# Altium PCB PCB_8ct6.PcbDoc
Units mm, origin at the board's own origin, x right, y up, seen from the top; angles counter-clockwise.
Board outline 82 x 80 mm, 2 copper layers (Top Layer, Bottom Layer); 53 components, 49 nets, 229 pads, 83 vias.
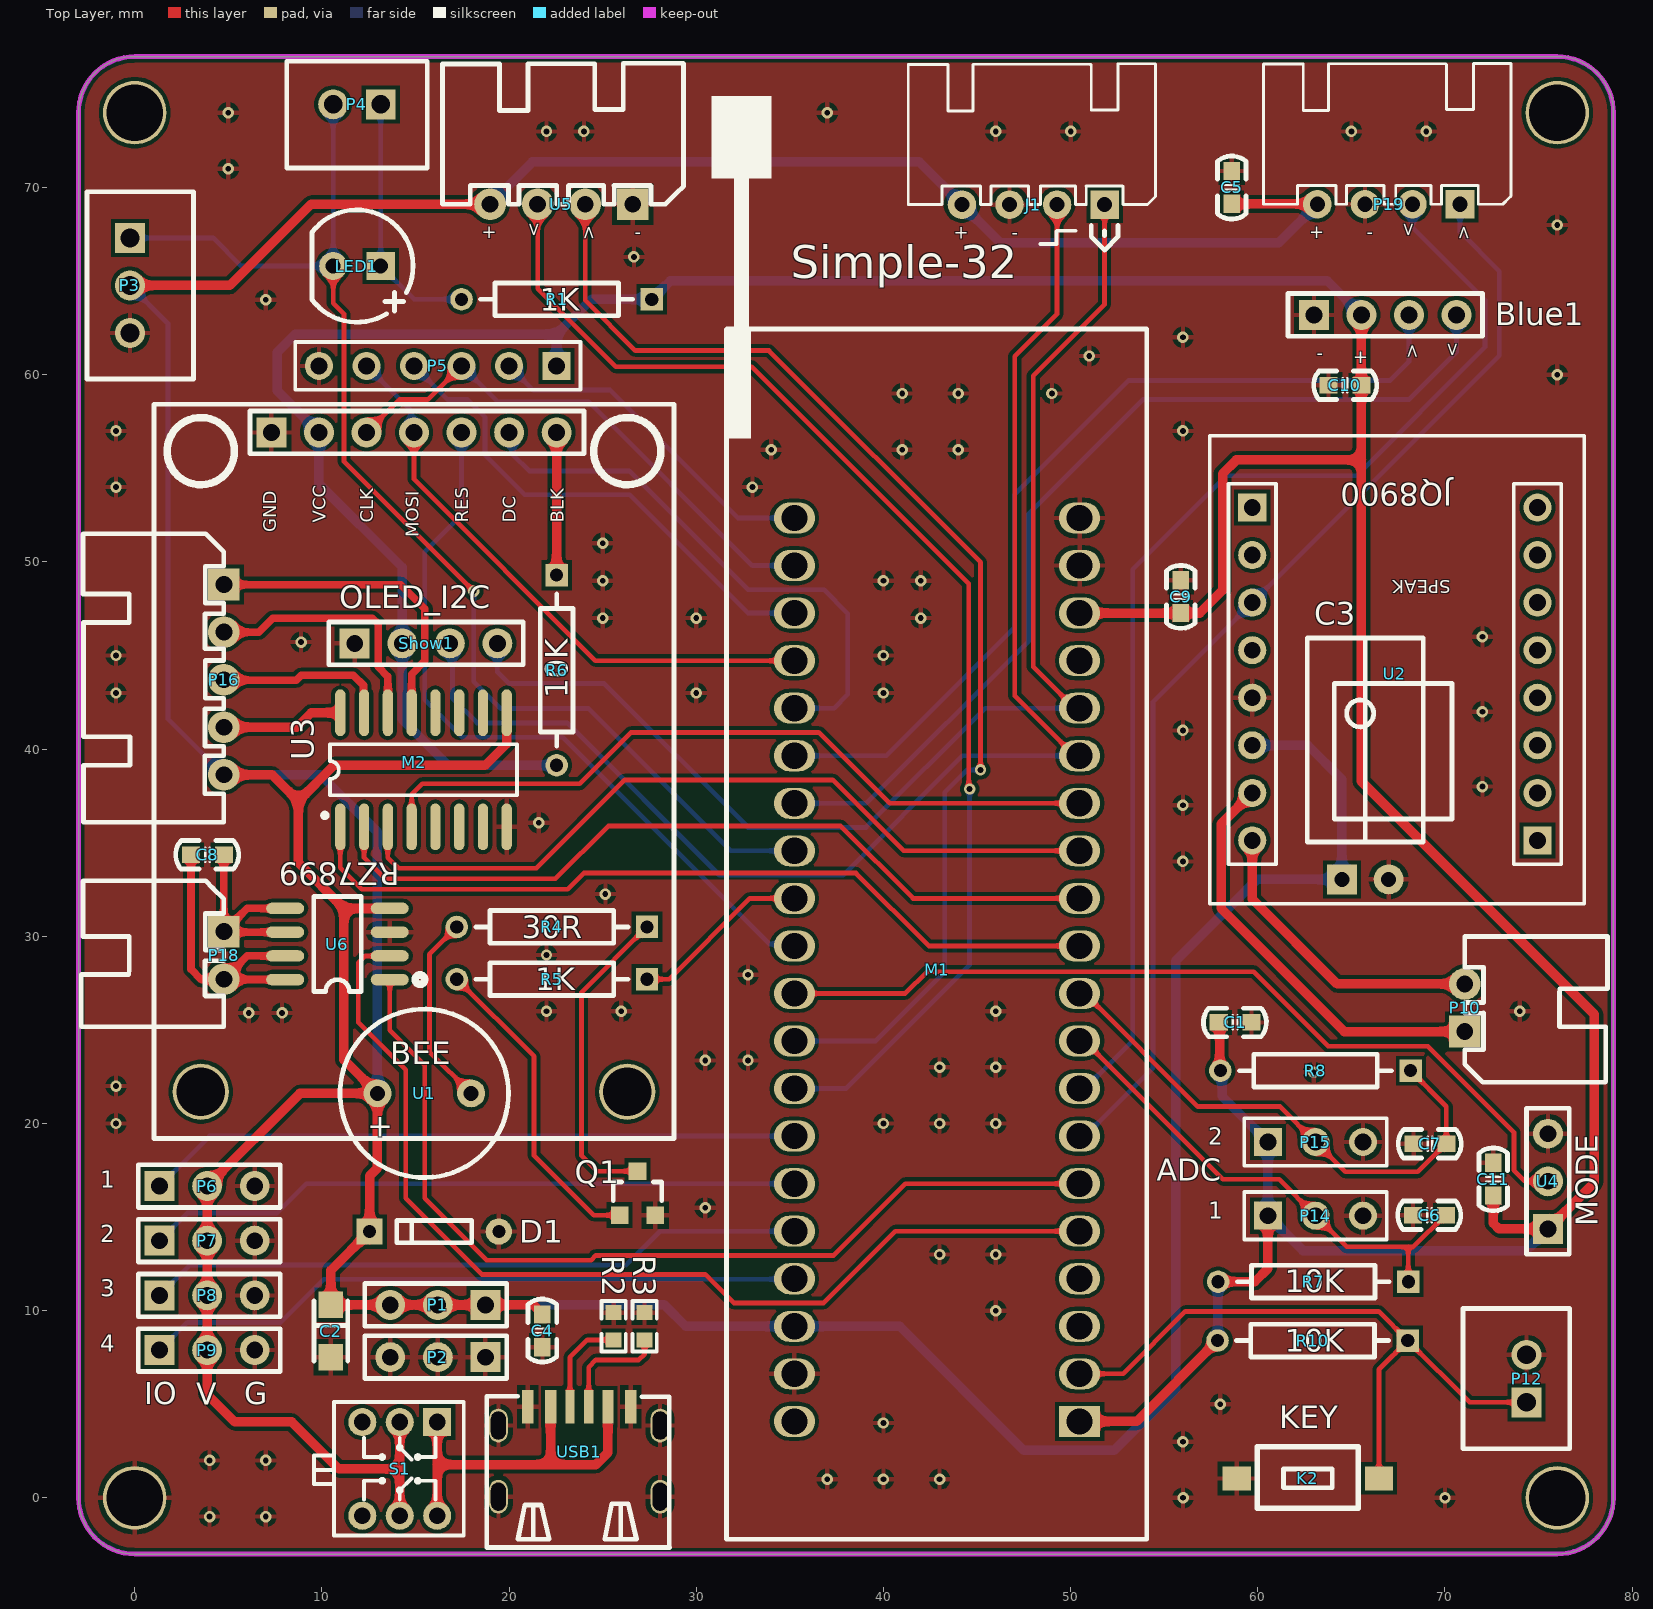
[diagram p0: Top Layer view]
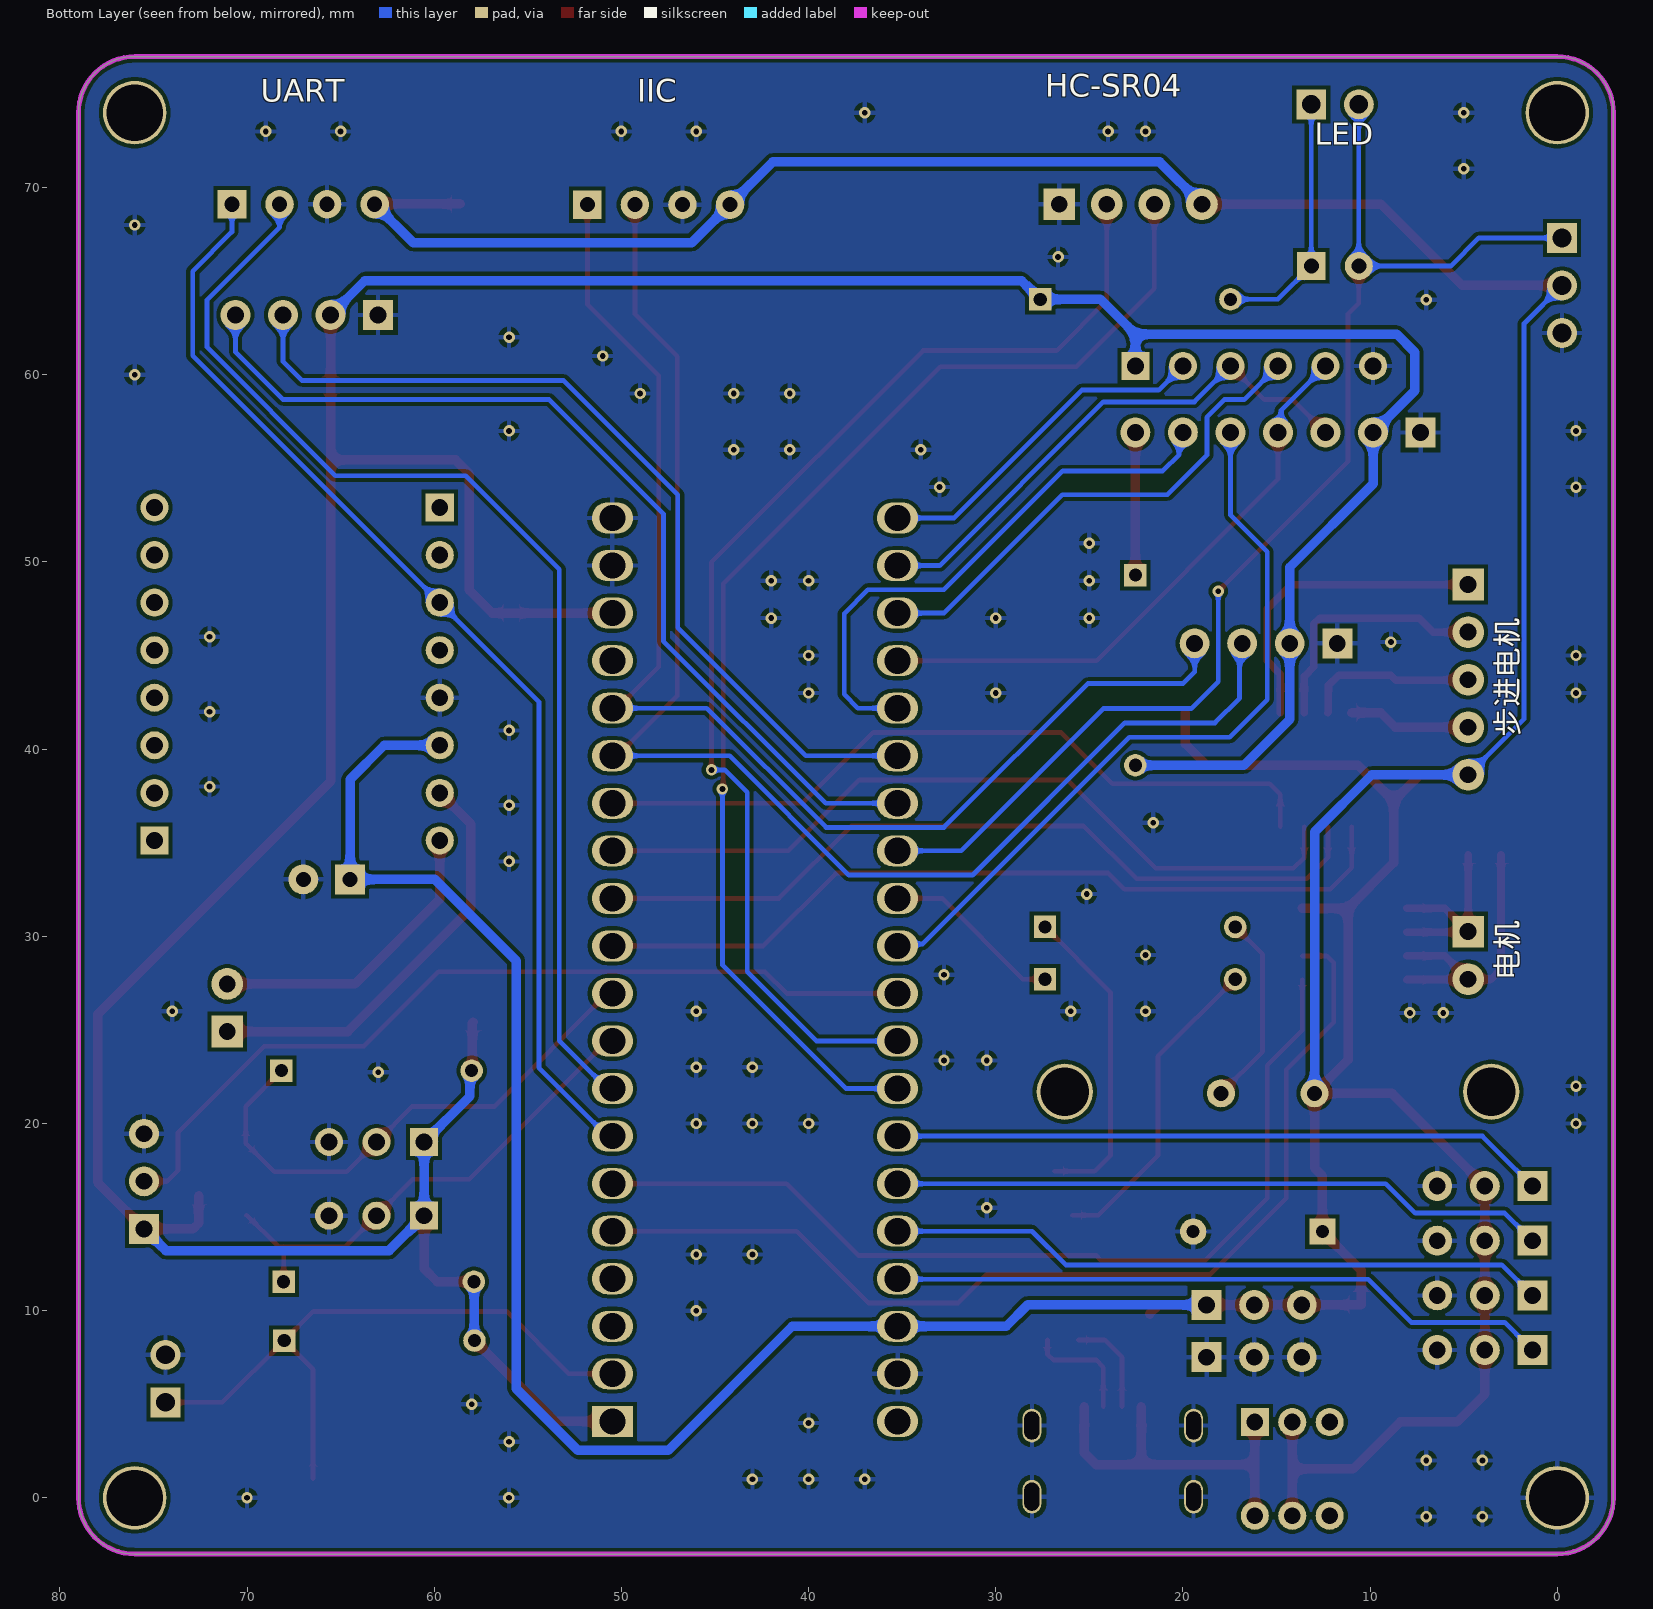
[diagram p1: Bottom Layer view, seen from below]

## Layer stack, top to bottom
Top Solder: solder mask 0.0102, Solder Resist, Dk 3.5
Top Layer: signal copper 0.0356
Dielectric 1: dielectric 0.32, FR-4, Dk 4.8
Bottom Layer: signal copper 0.0356
Bottom Solder: solder mask 0.0102, Solder Resist, Dk 3.5

## Board outline
-3,0 ccw(c0,0) 0,-3 76,-3 ccw(c76,0) 79,0 79,74 ccw(c76,74) 76,77 0,77 ccw(c0,74) -3,74

## Design rules (kind name [scope] priority, off if disabled: settings)
Clearance [All] p1: gap=0.203 ignorepadtopadclearanceinfootprint=TRUE
Height [All] p1: minheight=0 maxheight=50.8 prefheight=12.7
HoleSize [All] p1: absolutevalues=TRUE maxlimit=3 minlimit=0.025 maxpercent=80.000 minpercent=20.000
MinimumSolderMaskSliver [All] p1: minsoldermaskwidth=0.203
PolygonConnect [All] p1: connectstyle=Relief reliefconductorwidth=0.254 reliefentries=4 polygonreliefangle="90 Angle" airgapwidth=0.254
RoutingVias [All] p1: holewidth=0.711 width=1.27 viastyle="Through Hole" minholewidth=0.305 minwidth=0.61 maxholewidth=0.711 maxwidth=1.27
SilkToSilkClearance [All] p1: silktosilkclearance=0
SilkToSolderMaskClearance [IsPad] p1: minsilkscreentomaskgap=0 clearancetoexposedcopper=TRUE
SolderMaskExpansion [All] p1: expansion=0.102 istentingtop=FALSE
Width [All] p1: maxlimit=1.27 minlimit=0.203 preferedwidth=0.254
25 further rules are at their usual default settings.

## Classes and differential pairs
component class Sheet2: Blue1 C8 C9 C10 C11 J1 P16 P18 P19 U3 U4 U5 U6
component class Sheet1: C1 C2 C3 C4 C5 C6 C7 D1 K2 LED1 M1 M2 P1 P2 P3 P4 P5 P6 P7 P8 P9 P10 P12 P14 P15 Q1 R1 R2 R3 R4 R5 R6 R7 R8 R10 S1 Show1 U1 U2 USB1

## Components (designator, comment, footprint, x,y, rotation, side; value= is the part's Value field where it differs from the comment)
Blue1 "JDY-18" uart-Haerd 62.998,63.194 r180 top
C1 "100NF" CAP_0603 59.665,25.4 r180 top
C2 "100UF" CAP_3216_A 10.477,8.912 r90 top
C3 "220UF" CAP_PR_2.5_6.3_RA 65.742,33.042 r0 top
C4 "100NF" CAP_0603 21.78,8.048 r90 top
C5 "100NF" CAP_0603 58.61,70.888 r270 top
C6 "100NF" CAP_0603 70.047,15.104 r180 top
C7 "100NF" CAP_0603 70.072,18.914 r180 top
C8 "100NF" CAP_0603 4.762,34.354 r180 top
C9 "100NF" CAP_0603 55.88,49.022 r270 top
C10 "100NF" CAP_0603 63.779,59.436 r0 top
C11 "100NF" CAP_0603 72.58,17.904 r270 top
D1 "1N4148" Diode_DO35 16.002,14.224 r0 top
J1 "IIC" IIC-XH2.54-4PIN 51.816,69.088 r180 top
K2 "KEY" SW_PB_3X6 62.674,1.038 r0 top
LED1 "LED_R/G/B/Y" LED_5MM 11.874,65.808 r180 top
M1 "STM32F103C8t6最小系统板" STM32F103C8_SIMPLE 50.482,4.086 r180 top locked
M2 "ST7899" LCD_1.3_MODE 7.302,56.918 r0 top locked
P1 "Header 3" "Header 2.54X3" 16.192,10.309 r180 top
P2 "Header 3" "Header 2.54X3" 16.192,7.515 r180 top
P3 "Header 3" XH_2.54_3P -0.254,64.77 r270 top
P4 "Header 2" XH_2.54_2P 11.874,74.444 r180 top
P5 "Header 6" HDR1X6 22.542,60.474 r180 top
P6 "Header3" "Header 2.54X3" 3.873,16.659 r0 top
P7 "Header3" "Header 2.54X3" 3.873,13.738 r0 top
P8 "Header3" "Header 2.54X3" 3.873,10.817 r0 top
P9 "Header3" "Header 2.54X3" 3.873,7.896 r0 top
P10 "Header 2" XH2.54-WI-2P 71.056,26.184 r90 top
P12 "Header 2" XH_2.54_2P 74.358,6.372 r90 top
P14 "Header 3" HDR1X3 60.539,15.074 r0 top
P15 "Header 3" HDR1X3 60.539,19.011 r0 top
P16 "Header 5" XH2.54-WI-5P 4.762,43.71 r270 top
P18 "OUT" XH2.54-WI-2P 4.762,28.978 r270 top
P19 "UART" UART 70.802,69.11 r180 top
Q1 "NPN" SOT23_3 26.86,16.278 r270 top
R1 "1K" RES_0.4_1/4W 22.542,64.03 r180 top
R2 "5.1K" RESC_0603_2 25.59,9.166 r90 top
R3 "5.1K" RESC_0603_2 27.241,9.166 r90 top
R4 "30R" RES_0.4_1/4W 22.288,30.502 r180 top
R5 "1K" RES_0.4_1/4W 22.288,27.708 r180 top
R6 "10K" RES_0.4_1/4W 22.542,44.218 r270 top
R7 "10K" RES_0.4_1/4W 62.96,11.548 r180 top
R8 "10K" RES_0.4_1/4W 63.079,22.821 r180 top
R10 "10K" RES_0.4_1/4W 62.928,8.404 r180 top
S1 "Switch.02" SWITCH-KFC-7 14.16,1.546 r180 top
Show1 "OLED_I2C" "Header F 2.54X4" 15.565,45.65 r0 top
U1 "BEE" BEE-FMQ5mm 12.97,21.612 r0 top
U2 "JQ8900" SPKMO 67.246,47.774 r0 top
U3 "ULN2003" SOP16 15.43,38.884 r90 top
U4 "MODE" "Header F 2.54X3" 75.501,16.913 r90 top
U5 "HC-SR04" Ultrasonic 26.606,69.11 r180 top
U6 "RZ7899" SOP_8_M 10.858,29.74 r180 top
USB1 "Type_c" USB-Type-c_6P 23.812,2.435 r0 top

## Footprints (in the part's own frame and the unit in brackets; to place one, negate y for a bottom-side part, rotate by r counter-clockwise, add the part's x,y. Pads: shape width x height; smd on the part's side, far side on the other; paste and mask are expansions set on the pad)
BEE-FMQ5mm [mm]
  round 1.5 hole 0.8: 1(0,0) 2(5,0)
  silkscreen extent -2,-4.5 7,4.5, body extent -2,-4.5 7,4.5, height 4.5
CAP_0603 [mil]
  rect 38x35 smd: 1(0,0) 2(69,0)
  silkscreen extent -31,-30 101,30, body extent 4,-16 67,16, height 12
CAP_3216_A [mm]
  rect 1.4x1.3 smd: 1(1.4,0) 2(-1.4,0)
  silkscreen extent -1.6,-0.9 1.6,0.9, body extent -1.6,-0.8 1.6,0.8, height 1.6
CAP_PR_2.5_6.3_RA [mm] "6.3X11"
  rect 1.6x1.6 hole 0.8: 1(-1.25,0)
  round 1.6 hole 0.8: 2(1.25,0)
  silkscreen extent -3.1,2 3.1,12.9, body extent -3.18,-0.3 3.18,13.02, height 6.38
Diode_DO35 [mm]
  rect 1.4x1.4 hole 0.7: 1(-3.45,0)
  round 1.4 hole 0.7: 2(3.45,0)
  silkscreen extent -2,-0.6 2,0.6, body extent -3.75,-1 3.75,1, height 2.3
HDR1X3 [mm] "Connector; Header; 3 Position"
  rect 1.5x1.5 hole 0.9: 1(0,0)
  round 1.5 hole 0.9: 2(2.54,0) 3(5.08,0)
  silkscreen extent -1.27,-1.27 6.35,1.27, body extent -1.27,-1.32 6.35,1.22, height 8.54
HDR1X6 [mm] "Connector; Header; 6 Position"
  rect 1.5x1.5 hole 0.9: 1(0,0)
  round 1.5 hole 0.9: 2(2.54,0) 3(5.08,0) 4(7.62,0) 5(10.16,0) 6(12.7,0)
  silkscreen extent -1.27,-1.27 13.97,1.27, body extent -1.37,-1.27 13.87,1.27, height 8.54
"Header 2.54X3" [mm]
  rect 1.6x1.6 hole 0.9: 1(-2.54,0)
  round 1.6 hole 0.9: 2(0,0) 3(2.54,0)
  silkscreen extent -3.68,-1.14 3.9,1.14, body extent -3.68,-1.23 3.94,1.27, height 8.3
"Header F 2.54X3" [mm]
  rect 1.6x1.6 hole 0.9: 1(-2.54,0)
  round 1.6 hole 0.9: 2(0,0) 3(2.54,0)
  silkscreen extent -3.9,-1.14 3.9,1.14, body extent -3.94,-1.26 3.94,1.24, height 8.6
"Header F 2.54X4" [mm]
  rect 1.6x1.6 hole 0.9: 1(-3.81,0)
  round 1.6 hole 0.9: 2(-1.27,0) 3(1.27,0) 4(3.81,0)
  silkscreen extent -5.2,-1.14 5.19,1.14, body extent -5.21,-1.25 5.21,1.25, height 8.6
IIC-XH2.54-4PIN [mil] "-XH2.54-4PIN-"
  rect 60x60 hole 32: 1(0,0)
  round 60 hole 32: 2(100,0) 3(200,0) 4(300,0)
  silkscreen extent -107,-296 413,96, body extent -105,-300 415,11, height 236
LCD_1.3_MODE [mm]
  round 3 hole 2.6: 0(-3.77,-35.22) 0(19.01,-35.22)
  rect 1.6x1.6 hole 0.9: 1(0,0)
  round 1.6 hole 0.9: 2(2.54,0) 3(5.08,0) 4(7.62,0) 5(10.16,0) 6(12.7,0) 7(15.24,0)
  silkscreen extent -6.27,-37.72 21.51,1.5, body extent -6.47,-37.72 21.71,1.5, height 17.05
LED_5MM [mm]
  rect 1.5x1.5 hole 0.8: 1(-1.27,0)
  round 1.5 hole 0.8: 2(1.27,0)
  silkscreen extent -3,-3 2.4,3, body extent -3,-3 2.5,3, height 8.5
RES_0.4_1/4W [mm]
  rect 1.2x1.2 hole 0.7: 1(-5.08,0)
  round 1.2 hole 0.7: 2(5.08,0)
  silkscreen extent -4.06,-0.87 4.06,0.87, body extent -5.38,-1.25 5.38,1.27, height 2.56
RESC_0603_2 [mm]
  rect 0.8x0.85 smd: 1(-0.73,0) 2(0.73,0)
  silkscreen extent -1.35,-0.65 1.35,0.65, body extent -0.8,-0.4 0.8,0.4, height 0.38
SOP16 [mm] "SOP, 16-Leads, Body 9.90x3.90mm, Pitch 1.27mm, IPC Medium Density"
  oval 2.5x0.55 smd: 1(-3.035,4.445) 2(-3.035,3.175) 3(-3.035,1.905) 4(-3.035,0.635) 5(-3.035,-0.635) 6(-3.035,-1.905) 7(-3.035,-3.175) 8(-3.035,-4.445) 9(3.06,-4.445) 10(3.06,-3.175) 11(3.06,-1.905) 12(3.06,-0.635) 13(3.06,0.635) 14(3.06,1.905) 15(3.06,3.175) 16(3.06,4.445)
  silkscreen extent -2.55,-5 1.37,5.39, body extent -2.93,-4.98 2.98,5, height 1.45
SOP_8_M [mil] "5.58"
  oval 80x24 smd: 1(-109,81) 2(-109,31) 3(-109,-19) 4(-109,-69) 5(111,-69) 6(111,-19) 7(111,31) 8(111,81)
  silkscreen extent -49,-94 51,106, body extent -117,-92 121,106, height 63
SOT23_3 [mm]
  rect 0.95x0.95 smd: 1(1.175,-0.95) 2(1.175,0.95) 3(-1.175,0)
  silkscreen extent -0.6,-1.3 0.4,1.3, body extent -1.34,-1.5 1.3,1.5, height 1.08
SPKMO [mm]
  rect 1.5x1.5 hole 0.9: 1(-7.544,5.131) 9(7.696,-12.649)
  round 1.5 hole 0.9: 2(-7.544,2.591) 3(-7.544,0.051) 4(-7.544,-2.489) 5(-7.544,-5.029) 6(-7.544,-7.569) 7(-7.544,-10.109) 8(-7.544,-12.649) 10(7.696,-10.109) 11(7.696,-7.569) 12(7.696,-5.029) 13(7.696,-2.489) 14(7.696,0.051) 15(7.696,2.591) 16(7.696,5.131)
  silkscreen extent -9.81,-16.04 10.19,8.96, body extent -9.8,-16 10.26,9.58, height 15.39
STM32F103C8_SIMPLE [mm]
  rect 2.2x1.66 hole 1.4: 1(0,0)
  oval 2.2x1.66 hole 1.4: 2(0,-2.54) 3(0,-5.08) 4(0,-7.62) 5(0,-10.16) 6(0,-12.7) 7(0,-15.24) 8(0,-17.78) 9(0,-20.32) 10(0,-22.86) 11(0,-25.4) 12(0,-27.94) 13(0,-30.48) 14(0,-33.02) 15(0,-35.56) 16(0,-38.1) 17(0,-40.64) 18(0,-43.18) 19(0,-45.72) 20(0,-48.26) 21(15.24,-48.26) 22(15.24,-45.72) 23(15.24,-43.18) 24(15.24,-40.64) 25(15.24,-38.1) 26(15.24,-35.56) 27(15.24,-33.02) 28(15.24,-30.48) 29(15.24,-27.94) 30(15.24,-25.4) 31(15.24,-22.86) 32(15.24,-20.32) 33(15.24,-17.78) 34(15.24,-15.24) 35(15.24,-12.7) 36(15.24,-10.16) 37(15.24,-7.62) 38(15.24,-5.08) 39(15.24,-2.54) 40(15.24,0)
  silkscreen extent -3.58,-70.81 19.67,6.29, body extent -3.96,-70.9 19.9,6.29, height 25.5
SW_PB_3X6 [mm]
  rect 1.5x1.3 smd: 1(-3.8,0) 2(3.8,0)
  silkscreen extent -2.7,-1.6 2.7,1.7, body extent -4,-1.85 4,1.85, height 2.6
SWITCH-KFC-7 [mm] "自锁开关，规格：7*7mm"
  round 1.5 hole 0.9: 1(0,-2.5) 3(2,-2.5) 4(0,2.5) 5(-2,2.5) 6(2,2.5)
  rect 1.5x1.5 hole 0.9: 2(-2,-2.5)
  silkscreen extent -3.42,-3.58 4.58,3.56, body extent -3.5,-3.5 3.5,3.5, height 11.2
UART [mil] "-XH2.54-4PIN"
  rect 60x60 hole 32: 1(0,0)
  round 60 hole 32: 2(100,0) 3(200,0) 4(300,0)
  silkscreen extent -107,-296 413,0, body extent -105,-300 415,11, height 236
uart-Haerd [mm]
  rect 1.6x1.6 hole 0.9: 1(0,0)
  round 1.6 hole 0.9: 2(-2.54,0) 3(-5.08,0) 4(-7.62,0)
  silkscreen extent -9,-1.14 1.39,1.14, body extent -9.02,-1.25 1.4,1.25, height 8.6
Ultrasonic [mm] "-XH2.54-4PIN"
  round 1.7 hole 0.9: 1(7.62,0) 2(5.08,0) 3(2.54,0)
  rect 1.7x1.7 hole 0.9: 4(0,0)
  silkscreen extent -2.72,-7.53 10.16,0, body extent -2.5,-7.35 10.12,0.35, height 5.73
USB-Type-c_6P [mm]
  oval 1x1.8 hole 0.8 slot 1.5 at 90 deg: A(-4.38,1.43) B(4.256,1.43) C(-4.38,-2.37) D(4.256,-2.37)
  rect 0.5x1.8 smd: A5(-0.56,2.43) B5(0.44,2.43)
  rect 0.6x1.8 smd: A9(1.47,2.43) A12(2.69,2.43) B9(-1.59,2.43) B12(-2.81,2.43)
  silkscreen extent -5,-5.08 4.76,3, body extent -4.53,-4.97 4.41,1.83, height 3.22
XH2.54-WI-2P [mm] "接插件，2P"
  rect 1.7x1.7 hole 0.9: 1(-1.27,0)
  round 1.7 hole 0.9: 2(1.27,0)
  silkscreen extent -3.99,-7.62 3.81,0, body extent -3.77,-7.35 3.77,0.35, height 5.73
XH2.54-WI-5P [mm] "接插件，5P"
  rect 1.7x1.7 hole 0.9: 1(-5.08,0)
  round 1.7 hole 0.9: 2(-2.54,0) 3(0,0) 4(2.54,0) 5(5.08,0)
  silkscreen extent -7.8,-7.53 7.62,0, body extent -7.58,-7.35 7.58,0.35, height 5.73
XH_2.54_2P [mm]
  rect 1.6x1.6 hole 1: 1(-1.27,0)
  round 1.6 hole 1: 2(1.27,0)
  silkscreen extent -3.75,-2.3 3.75,3.4, body extent -3.75,-2.3 3.75,3.4, height 7
XH_2.54_3P [mm]
  rect 1.6x1.6 hole 1: 1(-2.54,0)
  round 1.6 hole 1: 2(0,0) 3(2.54,0)
  silkscreen extent -5,-2.3 5,3.4, body extent -5,-2.3 5,3.4, height 7

## Part data
Blue1 Show1: "MODE"
C1 C4 C5 C6 C7 C8 C9 C10 C11: library part CAP, "CAP  12~50V"
C2: library part CAP_TA, "CAP  6~12V  钽电容"
C3: library part CAP_BIG, "CAP 12V ~ 50V   电解电容"
D1: library part Diode-DO, "Diode_肖特基/二极管  / 直插"
J1: "Heard"
K2: "Key"
LED1: library part LED, "LED"
M1: library part STM32F103C-Sys, "Mode STM32F103C8t6最小系统板"
M2: library part LCD_TFT_1.3_MODE, "SHOW"
P1 P2 P3 P14 P15: "Header, 3-Pin", LatestRevisionDate=17-Jul-2002, LatestRevisionNote="Re-released for DXP Platform.", Publisher="Altium Limited"
P4 P10 P12: "Header, 2-Pin", LatestRevisionDate=17-Jul-2002, LatestRevisionNote="Re-released for DXP Platform.", Publisher="Altium Limited"
P5: "Header, 6-Pin", LatestRevisionDate=17-Jul-2002, LatestRevisionNote="Re-released for DXP Platform.", Publisher="Altium Limited"
P6 P7 P8 P9: library part PWM_D, "Header"
P16: "Header, 5-Pin", LatestRevisionDate=17-Jul-2002, LatestRevisionNote="Re-released for DXP Platform.", Publisher="Altium Limited"
P18: library part OUT_2PIN, "Header"
P19: "Header"
R1 R2 R3 R4 R5 R6 R7 R8 R10: library part RES, "RES 贴片"
S1: library part Switch_2, "Switch"
U1: library part BZZ
U2: library part SPKMO_8900, "MODE"
U3: "IC"
U4: library part MODE_3Pin
U5: library part Ultrasonic, "Mode"
U6: "Dreiv"
USB1: library part USB-Type_c-6PIn, "USB"

## Free pads (board coordinates)
  round 3.4 hole 3: 0(0,74) 0(0,0) 0(76,74) 0(76,0)

## Via types
v1: diameter 0.61, hole 0.305, Top Layer to Bottom Layer, tented both sides, 81 vias
v2: diameter 0.61, hole 0.305, Top Layer to Bottom Layer, 2 vias

## Nets (pads, with @x,y where several pads share a name; then routed paths per layer and width w, separated by ;. In a path a pad name is that pad's centre, name@x,y a point inside that pad or via, vN(x,y) a via of type N, cw(c..) or ccw(c..) an arc to the next point about the centre after c; other vN are vias at no path point)
+5: C2.1 C3.1 C4.2 C5.2 D1.1 J1.4 M1.38 P1.1 P1.2 P1.3 P3.2 P6.2 P7.2 P8.2 P9.2 P16.5 P19.4 S1.1 S1.4 U1.1 U2.6 U3.9 U5.1 U6.4 | length 312.5
  Top Layer w0.508: P3.2 5.08,64.77 9.42,69.11 U5.1 ; P16.5 7.344,38.63 7.619,38.355 8.742,37.232 ; U6.4 11.179,31.493 ; S1.4 14.16,1.546 ; S1.1 14.16,1.546 ; U3.9 19.875,40.288 18.725,39.138 10.648,39.138 8.742,37.232 ; C4.2 21.78,9.839 21.31,10.309 P1.1 P1.2 P1.3 P1.3 10.478,10.31 C2.1 10.477,12.149 D1.1 12.552,17.2 12.97,17.618 U1.1 ; C5.2 58.623,69.123 63.169,69.123 P19.4 ; 8.742,37.232 8.742,33.93 11.179,31.493 ; 11.179,31.493 11.179,23.403 U1.1 ; U1.1 8.826,21.612 P6.2 P7.2 P8.2 P9.2 3.873,5.525 5.334,4.064 8.382,4.064 10.9,1.546 14.16,1.546
  Bottom Layer w0.254: P3.2 1.778,62.738 1.778,41.614 P16.5
  Bottom Layer w0.508: P16.5 9.916,38.63 12.97,35.576 U1.1 ; P1.1 28.299,10.309 29.442,9.166 M1.38 40.872,9.166 47.498,2.54 52.324,2.54 55.626,5.842 55.626,28.702 59.966,33.042 C3.1 64.492,38.378 62.665,40.205 U2.6 ; U5.1 21.25,71.374 41.91,71.374 J1.4 46.228,67.056 61.128,67.056 P19.4
ADC_1: C6.1 M1.9 P14.2 R7.1 | length 26.7
  Top Layer w0.254: M1.9 50.752,24.406 58.14,17.018 61.135,17.018 P14.2 64.742,13.411 68.04,13.411 ; R7.1 68.04,13.411 ; C6.1 70.008,15.104 68.316,13.411 68.04,13.411
ADC_2: C7.1 M1.10 P15.2 R8.1 | length 28.9
  Top Layer w0.254: M1.10 50.752,26.946 56.794,20.904 61.186,20.904 P15.2 64.666,17.424 68.544,17.424 70.034,18.914 C7.1 70.072,20.908 R8.1
BEE: M1.29 R5.1 | length 9.7
  Top Layer w0.254: R5.1 28.546,27.708 32.864,32.026 M1.29
BI: M1.6 U6.1 | length 50.5
  Top Layer w0.254: U6.1 13.627,24.981 15.494,23.114 15.494,16.002 18.796,12.7 24.384,12.7 24.638,12.954 37.338,12.954 41.17,16.786 M1.6
CC1: R2.1 USB1.A5 | length 5.4
  Top Layer w0.254: USB1.A5 23.252,7.504 24.184,8.436 R2.1
CC2: R3.1 USB1.B5 | length 6.1
  Top Layer w0.254: USB1.B5 24.252,6.98 24.638,7.366 26.924,7.366 27.241,7.683 R3.1
D/C: M1.25 M2.6 | length 30.2
  Bottom Layer w0.254: M2.6 20.209,56.711 20.209,55.737 21.082,54.864 26.416,54.864 32.766,48.514 36.83,48.514 38.1,47.244 38.1,42.926 37.36,42.186 M1.25
Debug_R: Blue1.4 M1.27 | length 51.3
  Bottom Layer w0.254: M1.27 39.087,37.106 47.752,45.771 47.752,52.578 53.848,58.674 68.072,58.674 70.618,61.22 Blue1.4
Debug_T: Blue1.3 M1.26 | length 48.2
  Bottom Layer w0.254: M1.26 40.154,39.646 46.99,46.482 46.99,53.594 53.086,59.69 67.056,59.69 68.078,60.712 Blue1.3
DS18B20: M1.31 U4.2 | length 46.6
  Top Layer w0.254: M1.31 41.17,26.946 42.33,28.106 59.778,28.106 63.754,24.13 69.088,24.13 73.685,19.533 73.685,17.501 74.273,16.913 U4.2
Echo: M1.32 U5.3 | length 64.7
  Top Layer w0.254: U5.3 24.066,63.97 26.746,61.29 33.884,61.29 45.187,49.987 v1(45.187,38.887)
  Bottom Layer w0.254: M1.32 39.57,24.406 43.282,28.118 43.282,37.694 44.475,38.887 v1(45.187,38.887)
FI: M1.5 U6.2 | length 55.4
  Top Layer w0.254: U6.2 12.316,28.953 11.938,28.575 11.938,25.4 14.478,22.86 14.478,16.002 18.542,11.938 30.48,11.938 32.004,10.414 36.808,10.414 40.64,14.246 M1.5
GND: Blue1.1 C1.1 C2.2 C3.2 C4.1 C5.1 C6.2 C7.2 C9.1 C10.1 C11.1 D1.2 J1.3 K2.1 M1.19 M1.20 M1.39 M2.1 P2.1 P2.2 P2.3 P3.3 P5.6 P6.3 P7.3 P8.3 P9.3 P12.2 P14.3 P15.3 P19.3 pad.0@0,0 Q1.2 R2.2 R3.2 Show1.1 U2.5 U3.8 U4.3 U5.4 U6.3 USB1.A USB1.A12 USB1.B USB1.B12 USB1.C USB1.D
  other v1: 4,-1 7,-1 70,0 37,1 40,1 43,1 4,2 7,2 56,3 40,4 58,5 46,10 43,13 46,13 30.48,15.494 -1,20 40,20 43,20 46,20 -1,22 43,23 46,23 30.48,23.368 32.766,23.368 6.096,25.908 7.874,25.908 22,26 26,26 46,26 74,26 32.766,27.94 22,29 25.146,32.258 56,34 21.59,36.068 56,37 72,38 56,41 72,42 -1,43 30,43 40,43 -1,45 40,45 8.89,45.72 72,46 25,47 30,47 42,47 25,49 40,49 42,49 25,51 -1,54 33,54 34,56 41,56 44,56 -1,57 56,57 41,59 44,59 49,59 76,60 51,61 56,62 7,64 26.67,66.294 76,68 5,71 22,73 24,73 46,73 50,73 65,73 69,73 5,74 37,74
  other v2: 56.007,0 62.992,22.733
GPIO1: M1.14 U3.4 | length 40.4
  Top Layer w0.254: U3.4 14.795,37.579 15.367,38.151 23.774,38.151 26.518,40.894 36.551,40.894 40.339,37.106 M1.14
GPIO2: M1.13 U3.3 | length 42.4
  Top Layer w0.254: U3.3 13.525,34.202 14.097,33.63 21.463,33.63 26.187,38.354 37.287,38.354 41.075,34.566 M1.13
GPIO3: M1.12 U3.2 | length 43.1
  Top Layer w0.254: U3.2 12.255,34.202 13.386,33.071 22.479,33.071 25.298,35.89 37.719,35.89 41.583,32.026 M1.12
GPIO4: M1.11 U3.1 | length 44.1
  Top Layer w0.254: U3.1 10.985,33.668 12.141,32.512 23.139,32.512 24.003,33.376 38.532,33.376 42.421,29.486 M1.11
KEY: K2.2 M1.2 P12.1 R10.1 | length 35.3
  Top Layer w0.254: M1.2 52.803,6.626 56.134,9.957 66.455,9.957 R10.1 ; K2.2 66.474,6.87 R10.1 ; P12.1 71.31,5.102 R10.1
LED: LED1.2 M1.28 P3.1 P4.2 | length 66.4
  Top Layer w0.254: LED1.2 10.604,63.818 11.176,63.246 11.176,55.372 v1(18.11,48.438)
  Bottom Layer w0.254: P3.1 4.191,67.31 5.693,65.808 LED1.2 ; P4.2 LED1.2 ; LED1.2@10.668,65.744 LED1.2 ; v1(18.11,48.438) 18.11,43.612 19.558,42.164 24.257,42.164 31.855,34.566 M1.28
MISO: M1.23 P5.4 | length 27
  Bottom Layer w0.254: P5.4 16.722,58.674 17.78,58.674 18.72,57.734 18.72,55.702 20.828,53.594 26.441,53.594 32.769,47.266 M1.23
MOSI: M1.24 M2.4 P5.5 | length 31.4
  Top Layer w0.254: M2.4 14.922,54.42 24.616,44.726 M1.24
  Bottom Layer w0.254: P5.5 14.757,58.099 14.757,57.083 M2.4
NetC8_1: C8.1 P18.1 U6.5 U6.6 | length 11.2
  Top Layer w0.406: C8.1 P18.1 ; U6.6 4.787,30.223 P18.1 ; U6.5 6.007,31.493 P18.1
NetC8_2: C8.2 P18.2 U6.7 U6.8 | length 15.2
  Top Layer w0.406: C8.2 3.009,28.233 3.54,27.702 4.756,27.702 P18.2 ; U6.8 8.026,27.695 4.775,27.695 P18.2 ; U6.7 6.007,28.953 P18.2
NetLED1_1: LED1.1 P4.1 R1.2 | length 13.7
  Bottom Layer w0.254: P4.1 LED1.1 14.922,64.03 R1.2
NetM2_7: M2.7 R6.1 | length 7.6
  Top Layer w0.508: R6.1 M2.7
NetP16_1: P16.1 U3.13 | length 17.1
  Top Layer w0.406: P16.1 14.202,48.79 15.501,47.491 15.501,44.711 14.795,44.005 U3.13
NetP16_2: P16.2 U3.14 | length 13.6
  Top Layer w0.406: P16.2 6.626,46.25 7.366,46.99 12.7,46.99 13.005,46.685 13.005,44.399 13.525,43.879 U3.14
NetP16_3: P16.3 U3.15 | length 9.3
  Top Layer w0.406: P16.3 4.784,43.688 8.636,43.688 8.89,43.942 11.684,43.942 12.228,43.398 12.228,41.971 U3.15
NetP16_4: P16.4 U3.16 | length 6.5
  Top Layer w0.508: P16.4 8.658,41.17 9.432,41.944 U3.16
NetQ1_1: Q1.1 R5.2 | length 17
  Top Layer w0.254: R5.2 21.336,23.58 21.336,18.288 24.521,15.103 Q1.1
NetQ1_3: Q1.3 R4.1 | length 17
  Top Layer w0.254: Q1.3 24.711,17.453 23.876,18.288 23.876,27.01 R4.1
NetR4_2: R4.2 U1.2 | length 10.4
  Top Layer w0.254: R4.2 15.748,29.042 15.748,23.834 U1.2
NSS: M1.21 P5.2 | length 18.6
  Bottom Layer w0.254: P5.2 21.294,59.182 25.4,59.182 32.236,52.346 M1.21
PWM1: M1.34 P6.1 | length 35
  Bottom Layer w0.254: P6.1 4,19.326 M1.34
PWM2: M1.35 P7.1 | length 35.2
  Bottom Layer w0.254: P7.1 2.81,15.215 7.595,15.215 9.166,16.786 M1.35
PWM3: M1.36 P8.1 | length 35.3
  Bottom Layer w0.254: P8.1 2.962,12.446 26.264,12.446 28.064,14.246 M1.36
PWM4: M1.37 P9.1 | length 35.5
  Bottom Layer w0.254: P9.1 2.81,9.373 7.798,9.373 10.109,11.684 35.22,11.684 M1.37
RES: M1.30 M2.5 | length 40.3
  Bottom Layer w0.254: M2.5 17.462,52.514 15.494,50.546 15.494,42.647 17.501,40.64 22.86,40.64 33.91,29.59 35.138,29.59 M1.30
RXD2: M1.8 P19.2 | length 62.1
  Bottom Layer w0.254: M1.8 50.752,21.866 53.315,24.429 53.315,49.61 58.315,54.61 65.278,54.61 72.136,61.468 72.136,64.008 68.262,67.882 P19.2
SCK: M1.22 M2.3 P5.3 | length 28.8
  Top Layer w0.254: M2.3 14.138,58.674 15.662,58.674 P5.3
  Bottom Layer w0.254: P5.3 19.389,58.547 24.257,58.547 32.998,49.806 M1.22
SCL: J1.2 M1.15 Show1.3 | length 75
  Top Layer w0.254: J1.2 49.276,63.246 47.015,60.985 47.015,42.843 50.212,39.646 M1.15
  Bottom Layer w0.254: Show1.3 16.973,45.512 16.973,42.717 18.288,41.402 23.114,41.402 31.242,33.274 37.846,33.274 44.218,39.646 M1.15
SDA: J1.1 M1.16 Show1.4 | length 68.4
  Top Layer w0.254: M1.16 50.212,42.186 48.006,44.392 48.006,59.944 51.816,63.754 J1.1
  Bottom Layer w0.254: Show1.4 19.375,44.125 19.99,43.51 25.07,43.51 32.766,35.814 39.065,35.814 45.437,42.186 M1.16
SPK+: P10.2 U2.8 | length 16.4
  Top Layer w0.508: U2.8 59.702,31.992 64.24,27.454 P10.2
SPK-: P10.1 U2.7 | length 22.6
  Top Layer w0.508: U2.7 58.039,36.002 58.039,31.496 64.621,24.914 P10.1
Trig: M1.33 U5.2 | length 66.5
  Top Layer w0.254: U5.2 21.526,64.605 25.705,60.427 32.969,60.427 44.552,48.844 44.552,37.922 v1(44.602,37.871)
  Bottom Layer w0.254: M1.33 37.995,21.866 44.602,28.473 v1(44.602,37.871)
TXD2: M1.7 P19.1 U2.3 | length 60.1
  Bottom Layer w0.254: M1.7 50.752,19.326 54.407,22.981 54.407,42.529 U2.3 72.898,61.021 72.898,65.532 70.802,67.628 P19.1
VDD: Blue1.2 C1.2 C9.2 C10.2 C11.2 M1.1 M1.18 M2.2 P5.1 P14.1 P15.1 R1.1 R6.2 R7.2 R8.2 R10.2 Show1.2 U4.1 | length 220.9
  Top Layer w0.508: M1.1 53.53,4.086 R10.2 R10.2@57.864,8.42 ; M1.18 50.484,47.268 55.878,47.268 C9.2 56.896,47.269 58.115,48.489 58.115,54.712 58.852,55.448 65.532,55.448 ; R7.2@57.864,11.532 R7.2 59.833,11.548 60.539,12.254 P14.1 ; C1.2 57.955,25.357 57.955,22.864 R8.2 ; Blue1.2 65.535,63.191 65.535,59.439 C10.2 65.532,55.448 ; C11.2 72.58,14.671 72.878,14.373 U4.1 77.978,16.85 77.978,25.832 65.532,38.278 65.532,55.448
  Bottom Layer w0.508: R6.2 16.742,39.138 14.295,41.585 Show1.2 14.295,49.713 9.842,54.166 M2.2 7.62,59.14 7.62,61.214 8.572,62.166 22.542,62.166 ; P5.1 22.542,62.166 ; R10.2@57.864,8.42 R7.2@57.864,11.532 ; R8.2 58.091,22.729 58.091,21.459 P15.1 P14.1 62.405,13.208 74.336,13.208 U4.1 ; Blue1.2 63.708,65.024 28.616,65.024 R1.1 24.406,64.03 22.542,62.166
VUSB: S1.2 S1.5 USB1.A9 USB1.B9 | length 19.9
  Top Layer w0.508: S1.5 16.16,1.778 ; S1.2 16.16,1.778 ; USB1.B9 22.222,1.778 ; USB1.A9 25.282,2.422 24.638,1.778 22.222,1.778 ; 16.16,1.778 22.222,1.778
pads on no net: M1.3 M1.4 M1.17 M1.40 M2.0 S1.3 S1.6 U2.1 U2.2 U2.4 U2.9 U2.10 U2.11 U2.12 U2.13 U2.14 U2.15 U2.16 U3.5 U3.6 U3.7 U3.10 U3.11 U3.12

## Polygon pours and split planes (outlines as drawn)
GND on Bottom Layer "NONET_L-01_P-001" (solid, remove dead copper, pour order 0): -12.7,83.82 86.36,83.82 86.36,-10.16 -12.7,-10.16
GND on Top Layer "NONET_L-01_P-001" (solid, remove dead copper, pour order 1): -12.7,83.82 93.98,83.82 93.98,-15.24 -12.7,-15.24

## Keep-outs
Keep-Out Layer:
  the board outline again, w0.254

## Silkscreen, mask and mechanical layers (free items; w line width, h text height)
Top Overlay:
  circle w0.4: c15.24,27.686 r0.254
  text "2" at 57.34,18.564 h1.52
  text "ADC" at 54.612,16.529 h2
  text "1" at -1.842,16.278 h1.52
  text "1" at 57.34,14.627 h1.52
  text "2" at -1.842,13.357 h1.52
  text "3" at -1.842,10.45 h1.52
  text "4" at -1.842,7.515 h1.52
  text "IO" at 0.508,4.591 h2
  text "G" at 5.844,4.591 h2
  text "V" at 3.302,4.572 h2
Bottom Overlay:
  text "LED" at 12.954,71.882 h2
  text "步进电机" at 1.726,40.642 h2 r270
  text "电机" at 1.718,27.688 h2 r270
Mechanical 15:
  lines w0.254: 3.532,21.698 3.532,37.428 11.755,45.65

## Dimensions
0,74 to 76,74 on Mechanical 15
0,74 to 0,0 on Mechanical 15

## Text inside footprints (layer, text, board x,y; h text height)
Blue1: Top Overlay "+" at 65.906,61.465 h1.2 r180; Top Overlay "-" at 63.497,61.584 h1.2 r180; Top Overlay "<" at 69.856,60.933 h1.2 r270; Top Overlay "<" at 68.816,61.645 h1.2 r90
J1: Top Overlay "-" at 47.193,67.029 h1.2; Top Overlay "+" at 43.764,68.117 h1.2 r180
M1: Top Overlay "Simple-32" at 35.055,64.572 h3
M2: Top Overlay "BLK" at 23.152,52.092 h1.2 r90; Top Overlay "DC" at 20.6,52.092 h1.2 r90; Top Overlay "RES" at 18.06,52.092 h1.2 r90; Top Overlay "MOSI" at 15.419,51.33 h1.2 r90; Top Overlay "CLK" at 12.98,52.093 h1.2 r90; Top Overlay "VCC" at 10.44,52.092 h1.2 r90; Top Overlay "GND" at 7.799,51.585 h1.2 r90
P19: Top Overlay "<" at 71.552,67.992 h1.2 r90; Top Overlay "<" at 67.512,67.357 h1.2 r270; Top Overlay "-" at 66.179,67.051 h1.2; Top Overlay "+" at 62.75,68.139 h1.2 r180
U1: Top Overlay "+" at 12.437,19.301 h1.2
U2: Top Overlay "SPEAK" at 70.298,49.264 h1.2 r180
U5: Top Overlay "<" at 24.816,67.992 h1.2 r90; Top Overlay "<" at 20.776,67.357 h1.2 r270; Top Overlay "+" at 18.554,68.139 h1.2 r180; Top Overlay "-" at 27.063,67.051 h1.2